# Altium PCB norbi_lm_#1.PcbDoc (part 1 of 5) (continued)
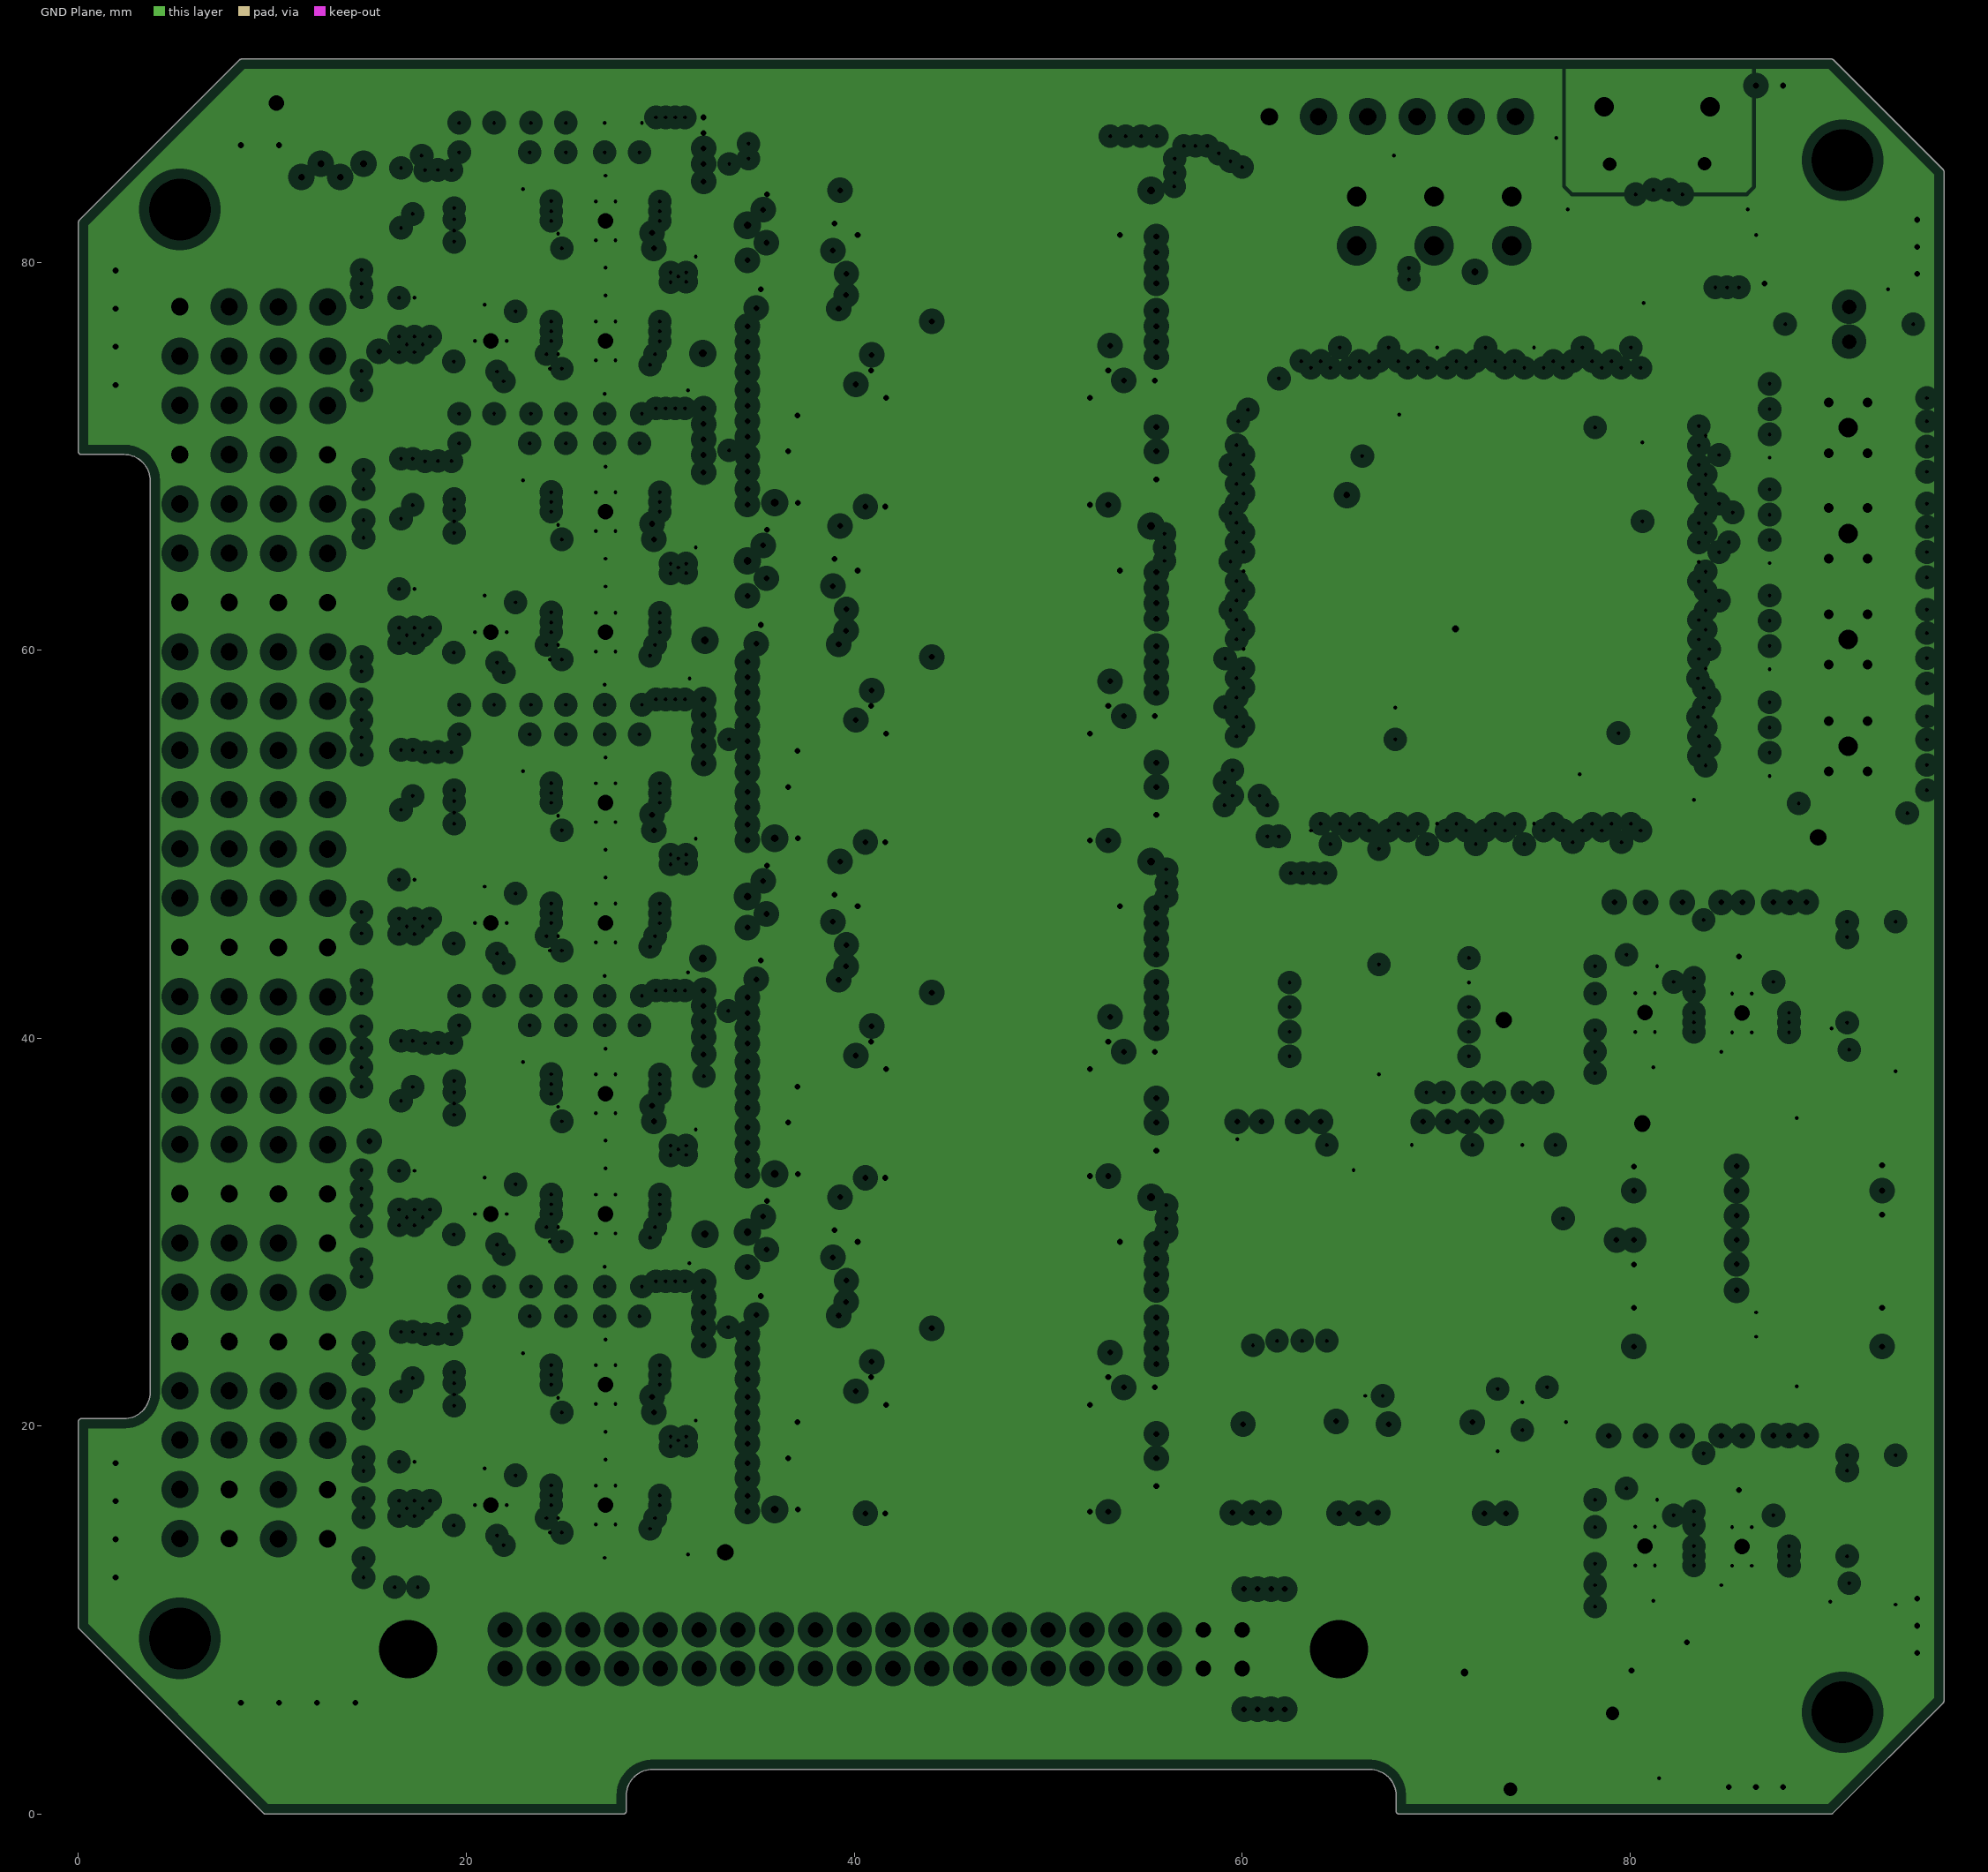
[diagram p4: GND Plane, clearances drawn from the general rule]
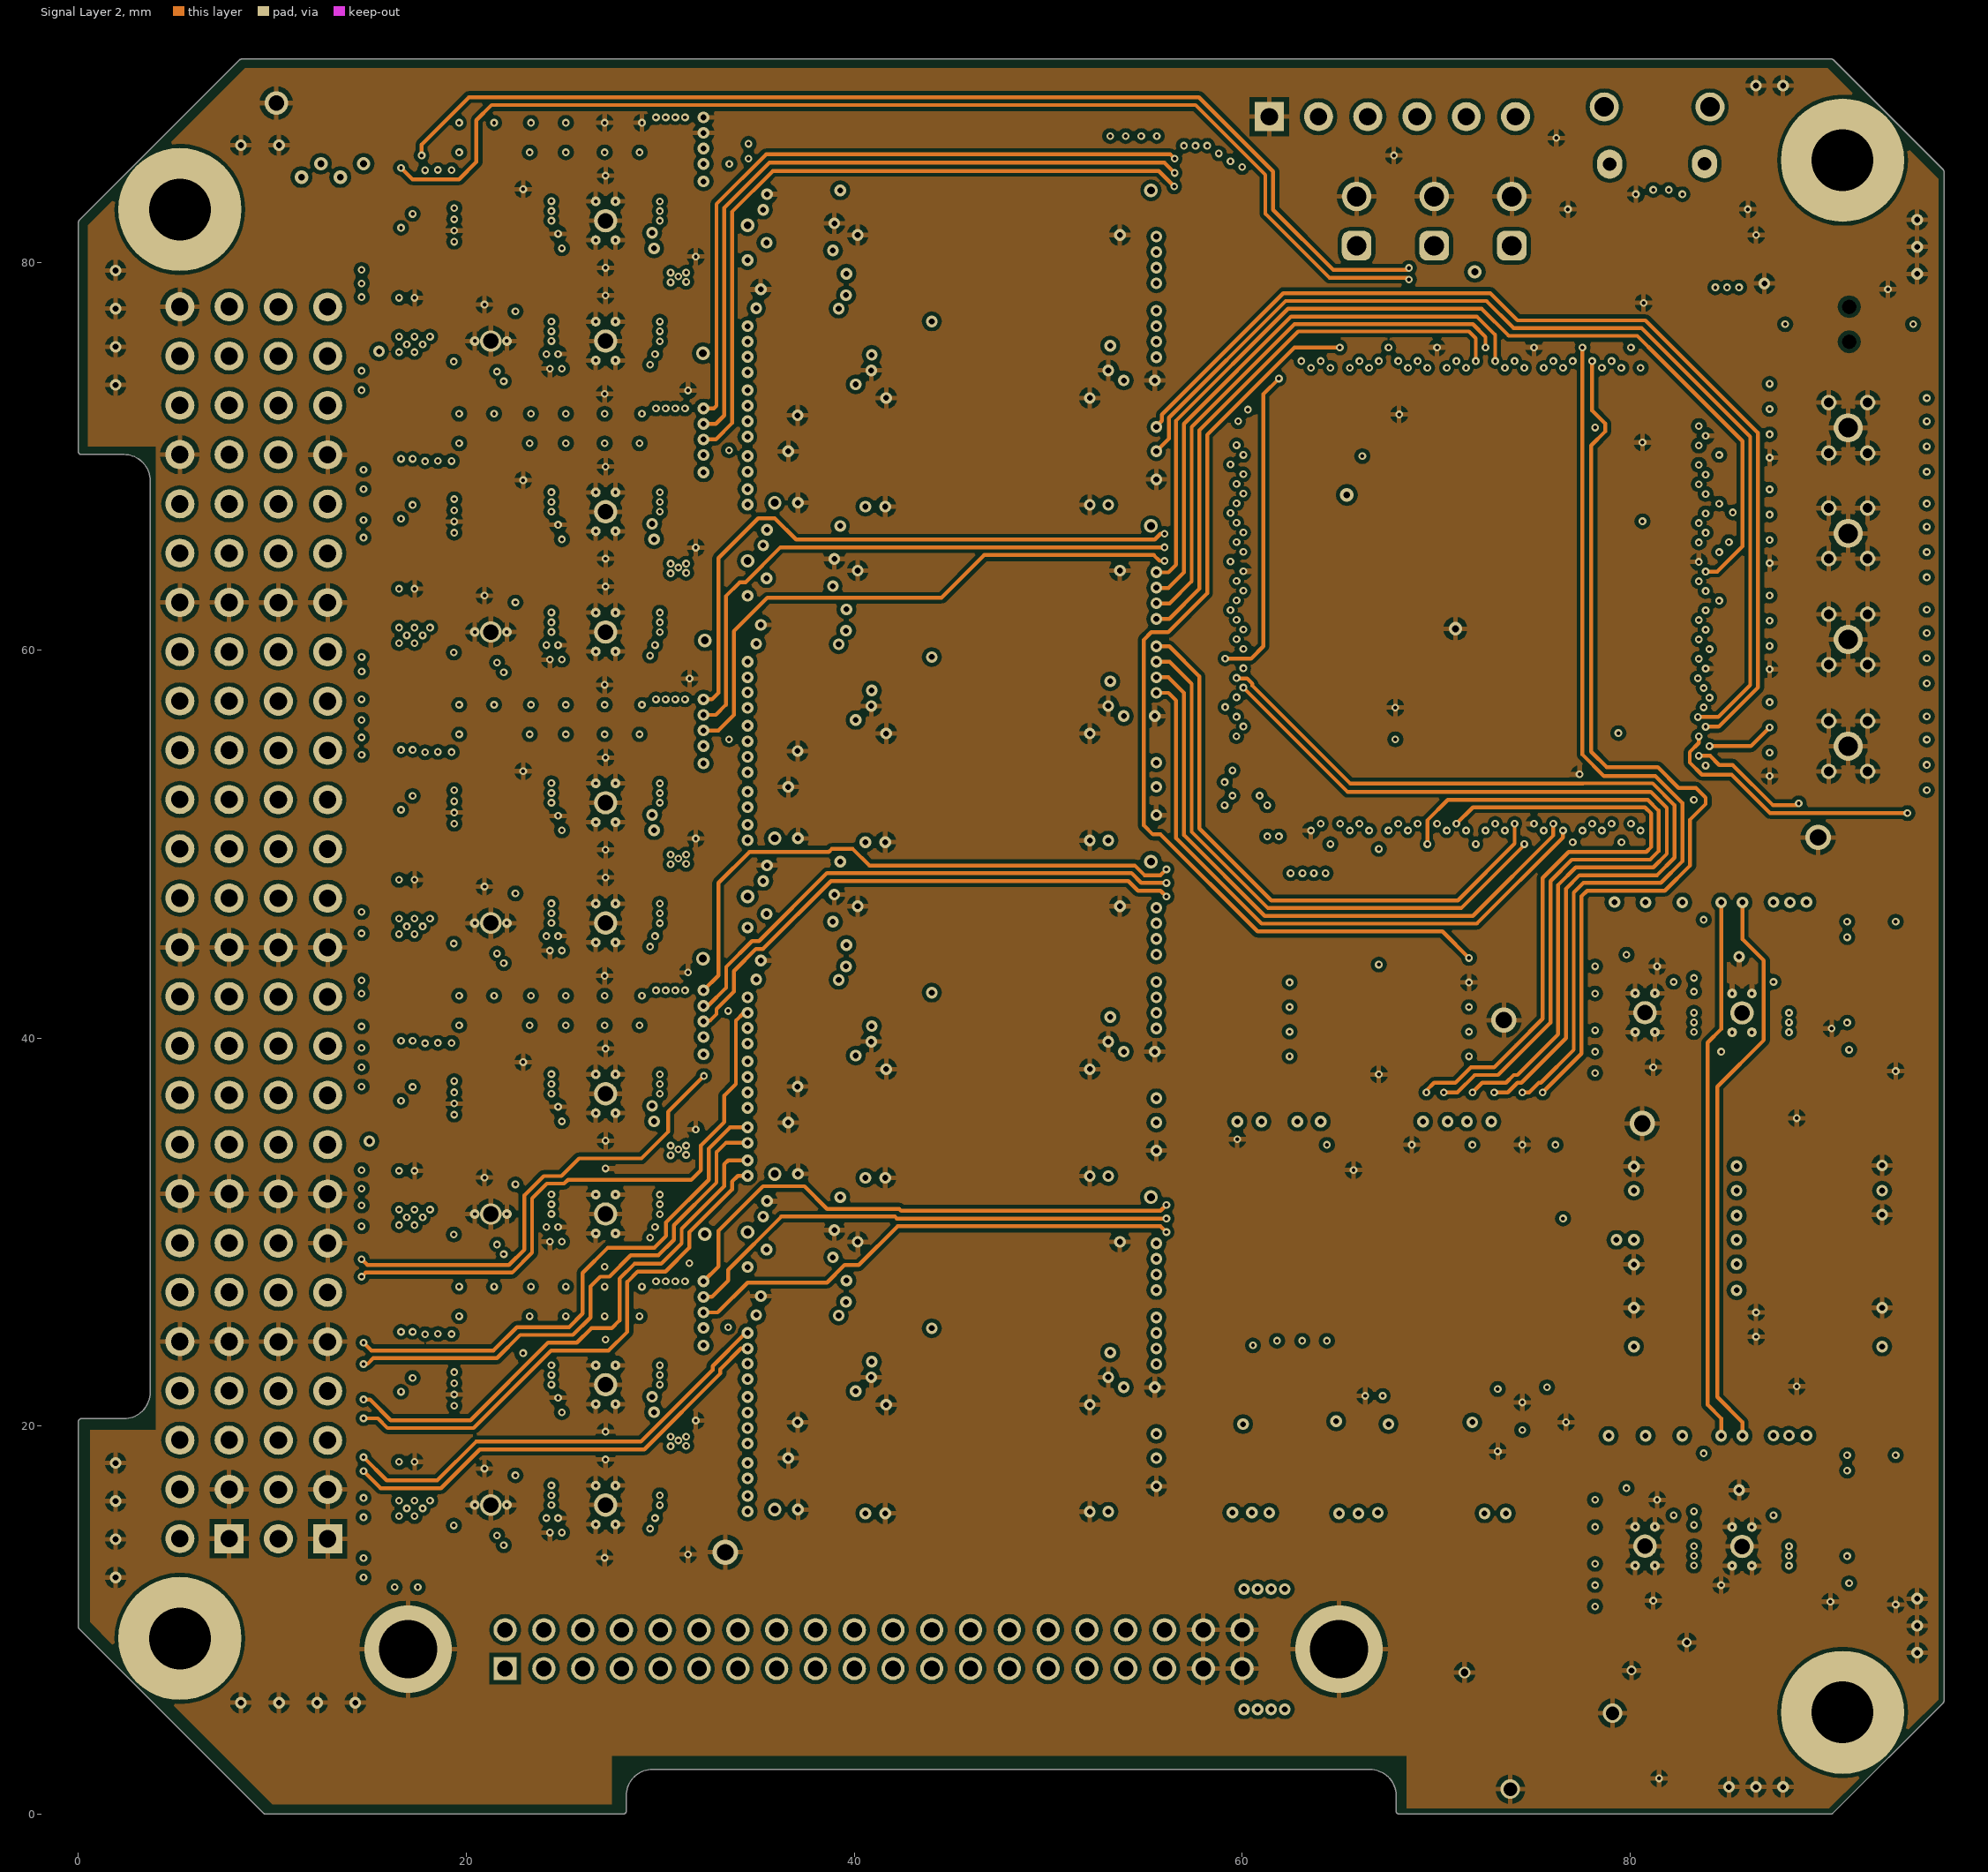
[diagram p5: Signal Layer 2]
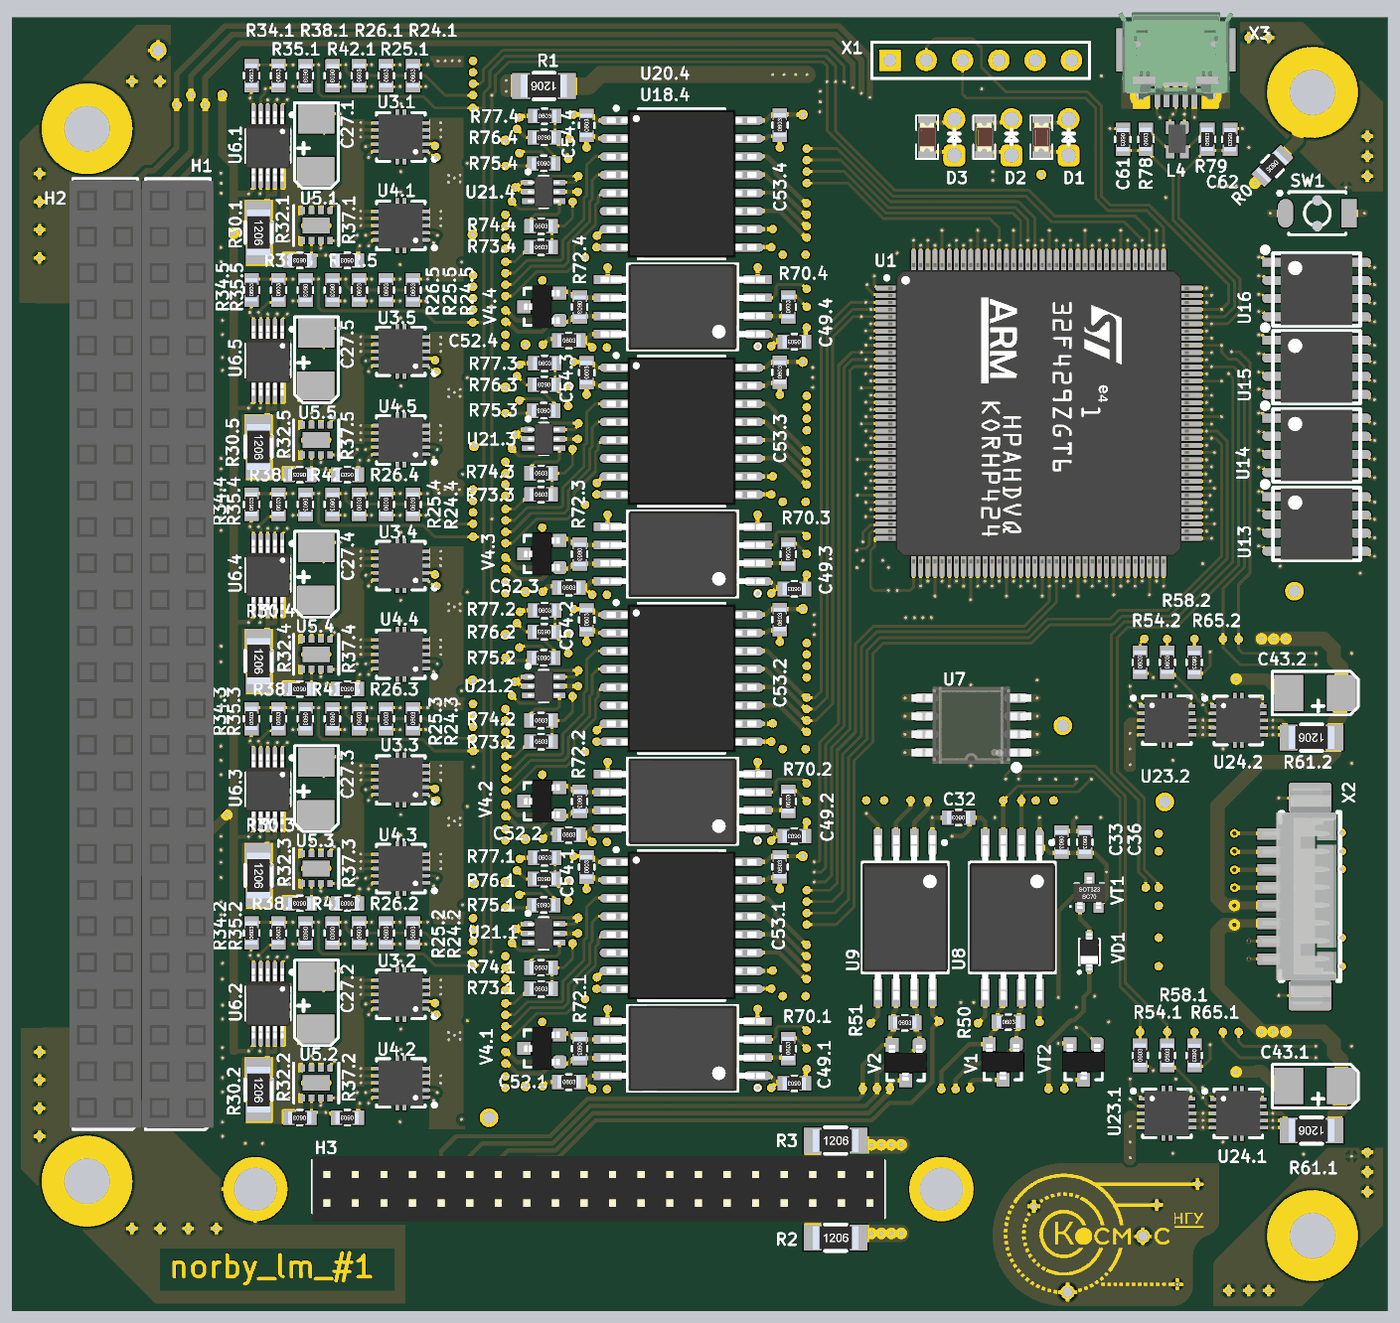
[diagram p10: 3D render of the assembled board from above, using the file's embedded part models]
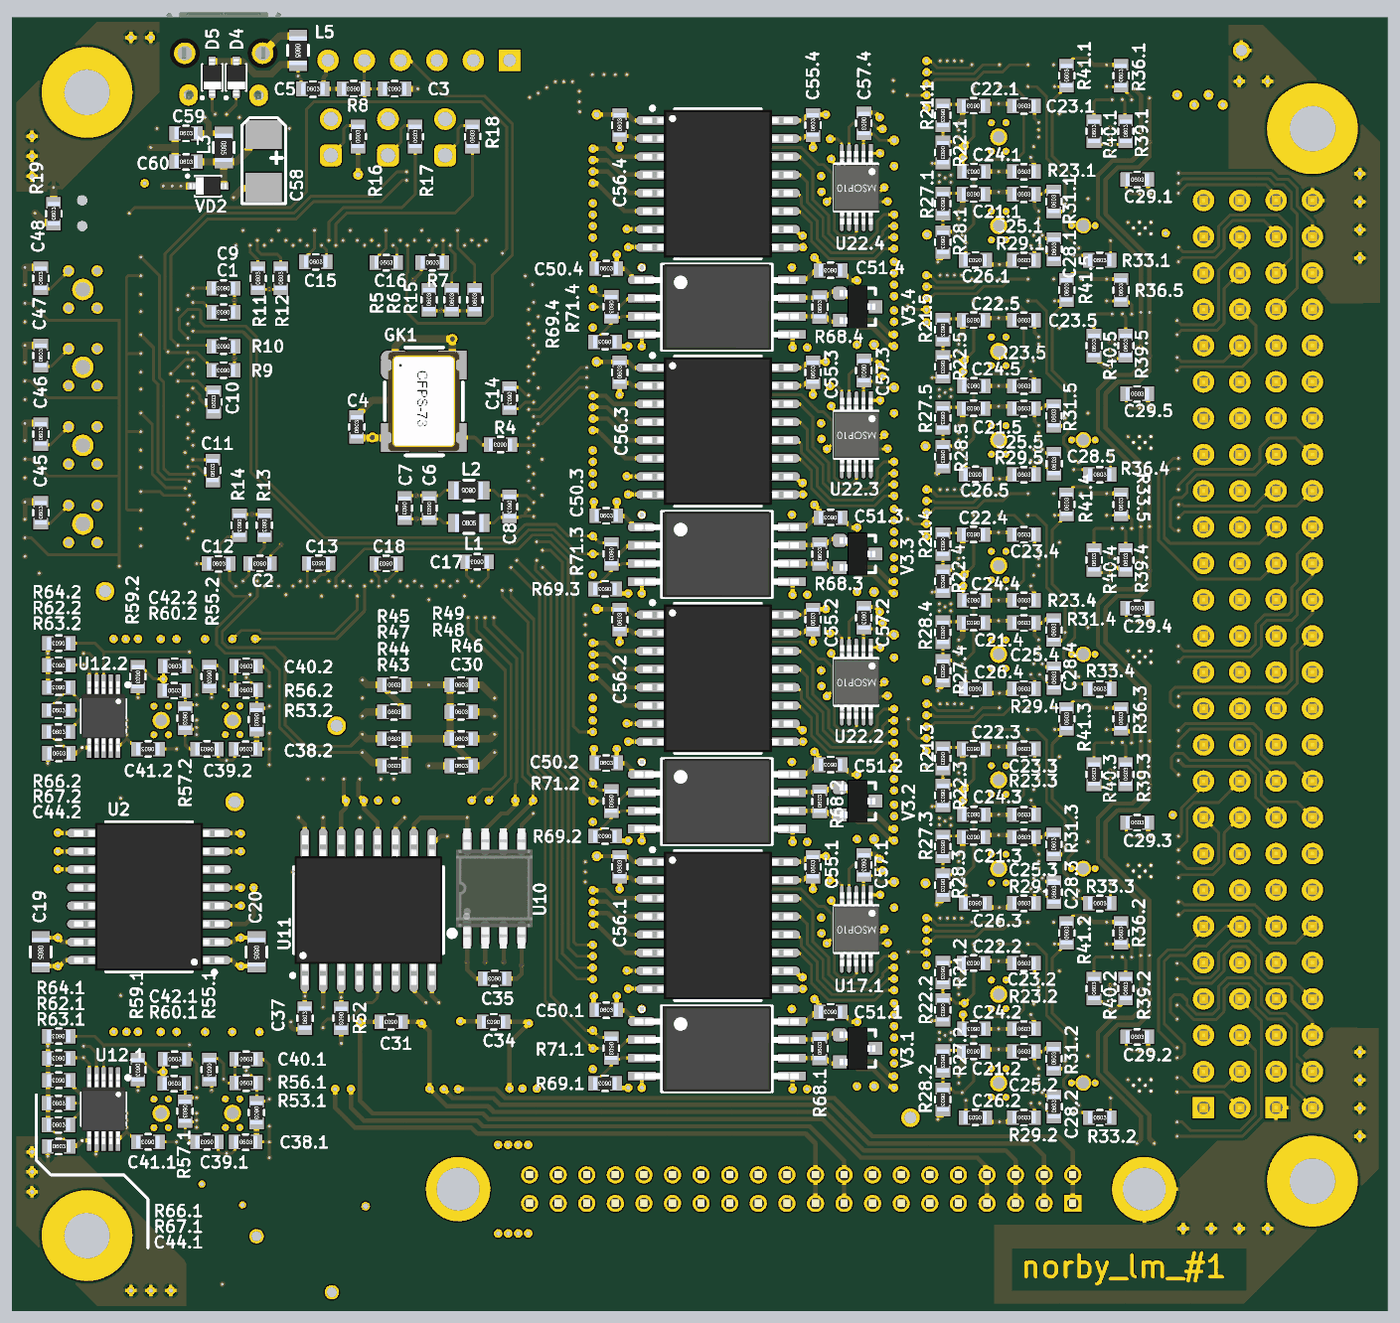
[diagram p11: 3D render of the assembled board from below, using the file's embedded part models]

## Layer stack, top to bottom
Top Solder: solder mask 0.01, Solder Resist, Dk 3.5
Top Layer: signal copper 0.03
Dielectric1: core 0.2, FR-4, Dk 4.8
Power Layer: signal copper 0.03
Dielectric3: prepreg 0.3, FR-4, Dk 4.8
Signal Layer 1: signal copper 0.03
Dielectric2: core 0.2, FR-4, Dk 4.8
GND Plane: plane copper 0.03, net (Multiple Nets)
Dielectric5: prepreg 0.3, FR-4, Dk 4.8
Signal Layer 2: signal copper 0.03
Dielectric4: core 0.3, FR-4, Dk 4.8
Bottom Layer: signal copper 0.03
Bottom Solder: solder mask 0.01, Solder Resist, Dk 3.5

## Board outline
0,9.65 0,20.235 cw(c0.15,20.235) 0.15,20.385 2.35,20.385 ccw(c2.35,21.735) 3.7,21.734 ccw(c2.35,21.735) 3.7,21.735 3.7,68.735 ccw(c2.35,68.735) 2.35,70.085 0.15,70.085 cw(c0.15,70.235) 0,70.235 0,82.05 cw(c0.15,82.05) 0.044,82.157 0.044,82.156 8.314,90.426 8.313,90.426 cw(c8.42,90.32) 8.42,90.47 90.38,90.47 cw(c90.38,90.32) 90.487,90.426 90.486,90.426 96.146,84.766 96.146,84.767 cw(c96.04,84.66) 96.19,84.66 96.19,70.235 cw(c96.04,70.235) 96.19,70.234 96.19,5.84 cw(c96.04,5.84) 96.146,5.733 96.146,5.734 90.456,0.044 90.457,0.044 cw(c90.35,0.15) 90.35,0 68.095,0 cw(c68.095,0.15) 67.988,0.045 cw(c68.093,0.152) 67.943,0.152 67.943,0.95 cw(c68.093,0.95) 67.944,0.974 ccw(c66.595,0.95) 66.595,2.3 29.595,2.3 ccw(c29.595,0.95) 28.245,0.95 28.245,0.15 cw(c28.095,0.15) 28.095,0 9.65,0 cw(c9.65,0.15) 9.543,0.044 9.544,0.044 0.044,9.544 0.044,9.543 cw(c0.15,9.65)

## Design rules (kind name [scope] priority, off if disabled: settings)
Clearance [All] p1: gap=0.17 ignorepadtopadclearanceinfootprint=TRUE
DiffPairsRouting [All] p1: maxlimit=0.254 minlimit=0.17 mostfreqgap=0.2 toplayer_minwidth=0.17 toplayer_maxwidth=0.381 toplayer_prefwidth=0.2 midlayer1_minwidth=0.17 midlayer1_maxwidth=0.381 midlayer1_prefwidth=0.2 midlayer2_minwidth=0.17 midlayer2_maxwidth=0.381 midlayer2_prefwidth=0.2 midlayer3_minwidth=0.17 midlayer3_maxwidth=0.381 midlayer3_prefwidth=0.2 bottomlayer_minwidth=0.17 bottomlayer_maxwidth=0.381 bottomlayer_prefwidth=0.2 maxuncoupledlength=10
MinimumSolderMaskSliver [All] p1: minsoldermaskwidth=0.25
PlaneClearance [All] p1: clearance=0.508
PlaneConnect [All] p1: pad.planeconnectstyle=Relief pad.reliefexpansion=0.25 pad.reliefentries=4 pad.reliefconductorwidth=0.25 pad.reliefairgap=0.2 via.planeconnectstyle=Relief via.reliefexpansion=0.25 via.reliefentries=4 via.reliefconductorwidth=0.25 via.reliefairgap=0.25
PolygonConnect [(InNet('VBAT')  Or InNet('VB_SW_1')  Or  InNet('VB_SW_2')  Or  InNet('VB_SW_3')  Or  InNet('VB_SW_4')  Or  InNet('VB_SW_5'))] p1: connectstyle=Direct reliefconductorwidth=0.254 reliefentries=4 polygonreliefangle="90 Angle" airgapwidth=0.2
PolygonConnect PolygonConnect_4 [InNamedPolygon('Logo')] p2: connectstyle=Direct reliefconductorwidth=0.254 reliefentries=4 polygonreliefangle="90 Angle" airgapwidth=0.2
PolygonConnect PolygonConnect_2 [(InNet('V_ROW_1') OR InNet('V_ROW_2') OR InNet('V_ROW_3') OR InNet('V_ROW_4') OR InNet('V_ROW_5'))] p3: connectstyle=Direct reliefconductorwidth=0.254 reliefentries=4 polygonreliefangle="90 Angle" airgapwidth=0.2
PolygonConnect PolygonConnect_3 [(InNet('5V_PL1.1А') OR InNet('5V_PL1.1B') OR InNet('5V_PL1.2') OR InNet('5V_PL2') OR InNet('5V_PL_5') OR InNet('3V3'))] p4: connectstyle=Direct reliefconductorwidth=0.254 reliefentries=4 polygonreliefangle="90 Angle" airgapwidth=0.2
PolygonConnect PolygonConnect_1 [All] p5: connectstyle=Relief reliefconductorwidth=0.254 reliefentries=4 polygonreliefangle="90 Angle" airgapwidth=0.254
RoomDefinition lm_interface [InComponentClass('lm_interface')] p1: confinementstyle=ConfineIn formatcopy=TRUE lockcomponents=FALSE outline 59.05,15.1 77,15.1 77,36.2 59.05,36.2
RoomDefinition pl_pwr_ch_2 [InComponentClass('pl_pwr_ch_2')] p2: confinementstyle=ConfineIn formatcopy=TRUE lockcomponents=FALSE outline 16.032,27.785 32.632,27.785 32.632,42.785 16.032,42.785
RoomDefinition pl_pwr_ch_1 [InComponentClass('pl_pwr_ch_1')] p3: confinementstyle=ConfineIn formatcopy=FALSE lockcomponents=FALSE outline 16.032,12.785 32.632,12.785 32.632,27.785 16.032,27.785
RoomDefinition usb [InComponentClass('usb')] p4: confinementstyle=ConfineIn formatcopy=TRUE lockcomponents=FALSE outline 75.121,86.401 75.121,89.998 76.871,89.998 76.871,91.103 85.929,91.103 85.929,83.484 86.062,83.484 86.062,80.44 85.56,80.44 85.56,79.52 84.362,79.52 84.362,77.646 80.478,77.646 80.478,77.119 76.722,77.119 76.722,86.401
RoomDefinition measure_pwr [InComponentClass('measure_pwr')] p5: confinementstyle=ConfineIn formatcopy=TRUE lockcomponents=FALSE outline 78,38 94.5,38 94.5,47.5 78,47.5
RoomDefinition pl_pwr_ch_3 [InComponentClass('pl_pwr_ch_3')] p6: confinementstyle=ConfineIn formatcopy=TRUE lockcomponents=FALSE outline 16.032,42.785 32.632,42.785 32.632,57.785 16.032,57.785
RoomDefinition pl_pwr_ch_4 [InComponentClass('pl_pwr_ch_4')] p7: confinementstyle=ConfineIn formatcopy=TRUE lockcomponents=FALSE outline 16.032,57.785 32.632,57.785 32.632,72.785 16.032,72.785
RoomDefinition lm_pwr_ch [InComponentClass('lm_pwr_ch')] p8: confinementstyle=ConfineIn formatcopy=TRUE lockcomponents=FALSE outline 16.032,72.785 32.632,72.785 32.632,87.785 16.032,87.785
RoomDefinition pl_interface_4 [InComponentClass('pl_interface_4')] p9: confinementstyle=ConfineIn formatcopy=TRUE lockcomponents=FALSE outline 34.1,67.1 56.1,67.1 56.1,84.4 34.1,84.4
RoomDefinition pl_interface_3 [InComponentClass('pl_interface_3')] p10: confinementstyle=ConfineIn formatcopy=TRUE lockcomponents=FALSE outline 34.1,49.8 56.1,49.8 56.1,67.1 34.1,67.1
RoomDefinition pl_interface_2 [InComponentClass('pl_interface_2')] p11: confinementstyle=ConfineIn formatcopy=TRUE lockcomponents=FALSE outline 34.1,32.5 56.1,32.5 56.1,49.8 34.1,49.8
RoomDefinition pl_interface_1 [InComponentClass('pl_interface_1')] p12: confinementstyle=ConfineIn formatcopy=TRUE lockcomponents=FALSE outline 34.1,15.2 56.1,15.2 56.1,32.5 34.1,32.5
RoomDefinition trm_lm [InComponentClass('trm_lm')] p13: confinementstyle=ConfineIn formatcopy=TRUE lockcomponents=FALSE outline 72.35,37.43 72.35,44.457 61.75,44.457 61.75,37.43
RoomDefinition mem [InComponentClass('mem')] p14: confinementstyle=ConfineIn formatcopy=TRUE lockcomponents=FALSE outline 86.95,74.905 86.95,52.105 95.45,52.105 95.45,74.905
RoomDefinition mcu_pwr [InComponentClass('mcu_pwr')] p15: confinementstyle=ConfineIn formatcopy=TRUE lockcomponents=FALSE outline 78,10.5 94.5,10.5 94.5,20 78,20
RoutingVias [All] p1: holewidth=0.2 width=0.4 viastyle="Through Hole" minholewidth=0.2 minwidth=0.4 maxholewidth=5 maxwidth=7
SolderMaskExpansion [All] p1: expansion=0.1 istentingtop=FALSE
UnRoutedNet [All] p1: checkbadconnections=TRUE
Width [All] p1: maxlimit=4 minlimit=0.17 preferedwidth=0.25
25 further rules are at their usual default settings.

## Classes and differential pairs
component class usb: C58 C59 C60 C61 C62 D4 D5 L3 L4 L5 R78 R79 VD2 X3
channel class norbi_lm_pl_dcr_power_ch: mcu_pwr measure_pwr
component class measure_pwr: C38.2 C39.2 C40.2 C41.2 C42.2 C43.2 C44.2 R53.2 R54.2 R55.2 R56.2 R57.2 R58.2 R59.2 R60.2 R61.2 R62.2 R63.2 R64.2 R65.2 R66.2 R67.2 U12.2 U23.2 U24.2
channel class norbi_lm_single_power_ch: lm_pwr_ch pl_pwr_ch_1 pl_pwr_ch_2 pl_pwr_ch_3 pl_pwr_ch_4
component class pl_pwr_ch_4: C21.5 C22.5 C23.5 C24.5 C25.5 C26.5 C27.5 C28.5 C29.5 R21.5 R22.5 R23.5 R24.5 R25.5 R26.5 R27.5 R28.5 R29.5 R30.5 R31.5 R32.5 R33.5 R34.5 R35.5 R36.5 R37.5 R38.5 R39.5 R40.5 R41.5 R42.5 U3.5 U4.5 U5.5 U6.5
component class pl_pwr_ch_2: C21.3 C22.3 C23.3 C24.3 C25.3 C26.3 C27.3 C28.3 C29.3 R21.3 R22.3 R23.3 R24.3 R25.3 R26.3 R27.3 R28.3 R29.3 R30.3 R31.3 R32.3 R33.3 R34.3 R35.3 R36.3 R37.3 R38.3 R39.3 R40.3 R41.3 R42.3 U3.3 U4.3 U5.3 U6.3
component class pl_pwr_ch_1: C21.2 C22.2 C23.2 C24.2 C25.2 C26.2 C27.2 C28.2 C29.2 R21.2 R22.2 R23.2 R24.2 R25.2 R26.2 R27.2 R28.2 R29.2 R30.2 R31.2 R32.2 R33.2 R34.2 R35.2 R36.2 R37.2 R38.2 R39.2 R40.2 R41.2 R42.2 U3.2 U4.2 U5.2 U6.2
component class lm_pwr_ch: C21.1 C22.1 C23.1 C24.1 C25.1 C26.1 C27.1 C28.1 C29.1 R21.1 R22.1 R23.1 R24.1 R25.1 R26.1 R27.1 R28.1 R29.1 R30.1 R31.1 R32.1 R33.1 R34.1 R35.1 R36.1 R37.1 R38.1 R39.1 R40.1 R41.1 R42.1 U3.1 U4.1 U5.1 U6.1
component class pl_pwr_ch_3: C21.4 C22.4 C23.4 C24.4 C25.4 C26.4 C27.4 C28.4 C29.4 R21.4 R22.4 R23.4 R24.4 R25.4 R26.4 R27.4 R28.4 R29.4 R30.4 R31.4 R32.4 R33.4 R34.4 R35.4 R36.4 R37.4 R38.4 R39.4 R40.4 R41.4 R42.4 U3.4 U4.4 U5.4 U6.4
channel class norbi_lm_pl_interface: pl_interface_1 pl_interface_2 pl_interface_3 pl_interface_4
component class pl_interface_4: C49.4 C50.4 C51.4 C52.4 C53.4 C54.4 C55.4 C56.4 C57.4 R68.4 R69.4 R70.4 R71.4 R72.4 R73.4 R74.4 R75.4 R76.4 R77.4 U17.4 U18.4 U19.4 U20.4 U21.4 U22.4 V3.4 V4.4
component class pl_interface_3: C49.3 C50.3 C51.3 C52.3 C53.3 C54.3 C55.3 C56.3 C57.3 R68.3 R69.3 R70.3 R71.3 R72.3 R73.3 R74.3 R75.3 R76.3 R77.3 U17.3 U18.3 U19.3 U20.3 U21.3 U22.3 V3.3 V4.3
component class pl_interface_2: C49.2 C50.2 C51.2 C52.2 C53.2 C54.2 C55.2 C56.2 C57.2 R68.2 R69.2 R70.2 R71.2 R72.2 R73.2 R74.2 R75.2 R76.2 R77.2 U17.2 U18.2 U19.2 U20.2 U21.2 U22.2 V3.2 V4.2
component class pl_interface_1: C49.1 C50.1 C51.1 C52.1 C53.1 C54.1 C55.1 C56.1 C57.1 R68.1 R69.1 R70.1 R71.1 R72.1 R73.1 R74.1 R75.1 R76.1 R77.1 U17.1 U18.1 U19.1 U20.1 U21.1 U22.1 V3.1 V4.1
component class trm_lm: C30 R43 R44 R45 R46 R47 R48 R49 U7
component class mem: C45 C46 C47 C48 U13 U14 U15 U16
component class mcu_pwr: C38.1 C39.1 C40.1 C41.1 C42.1 C43.1 C44.1 R53.1 R54.1 R55.1 R56.1 R57.1 R58.1 R59.1 R60.1 R61.1 R62.1 R63.1 R64.1 R65.1 R66.1 R67.1 U12.1 U23.1 U24.1
component class pl_dcr: C19 C20 U2 X2
component class pl_iss: H1 H2
component class lm_interface: C31 C32 C33 C34 C35 C36 C37 R50 R51 R52 U8 U9 U10 U11 V1 V2 VD1 VT1 VT2
component class norbi_lm_main: C1 C2 C3 C4 C5 C6 C7 C8 C9 C10 C11 C12 C13 C14 C15 C16 C17 C18 D1 D2 D3 GK1 H3 L1 L2 R0 R1 R2 R3 R4 R5 R6 R7 R8 R9 R10 R11 R12 R13 R14 R15 R16 R17 R18 R19 SW1 U1 X1
differential pair USB_D: +USB_D_P -USB_D_N
